# Allegro board HI3516APERB_VER_B_PCB.brd (continued)
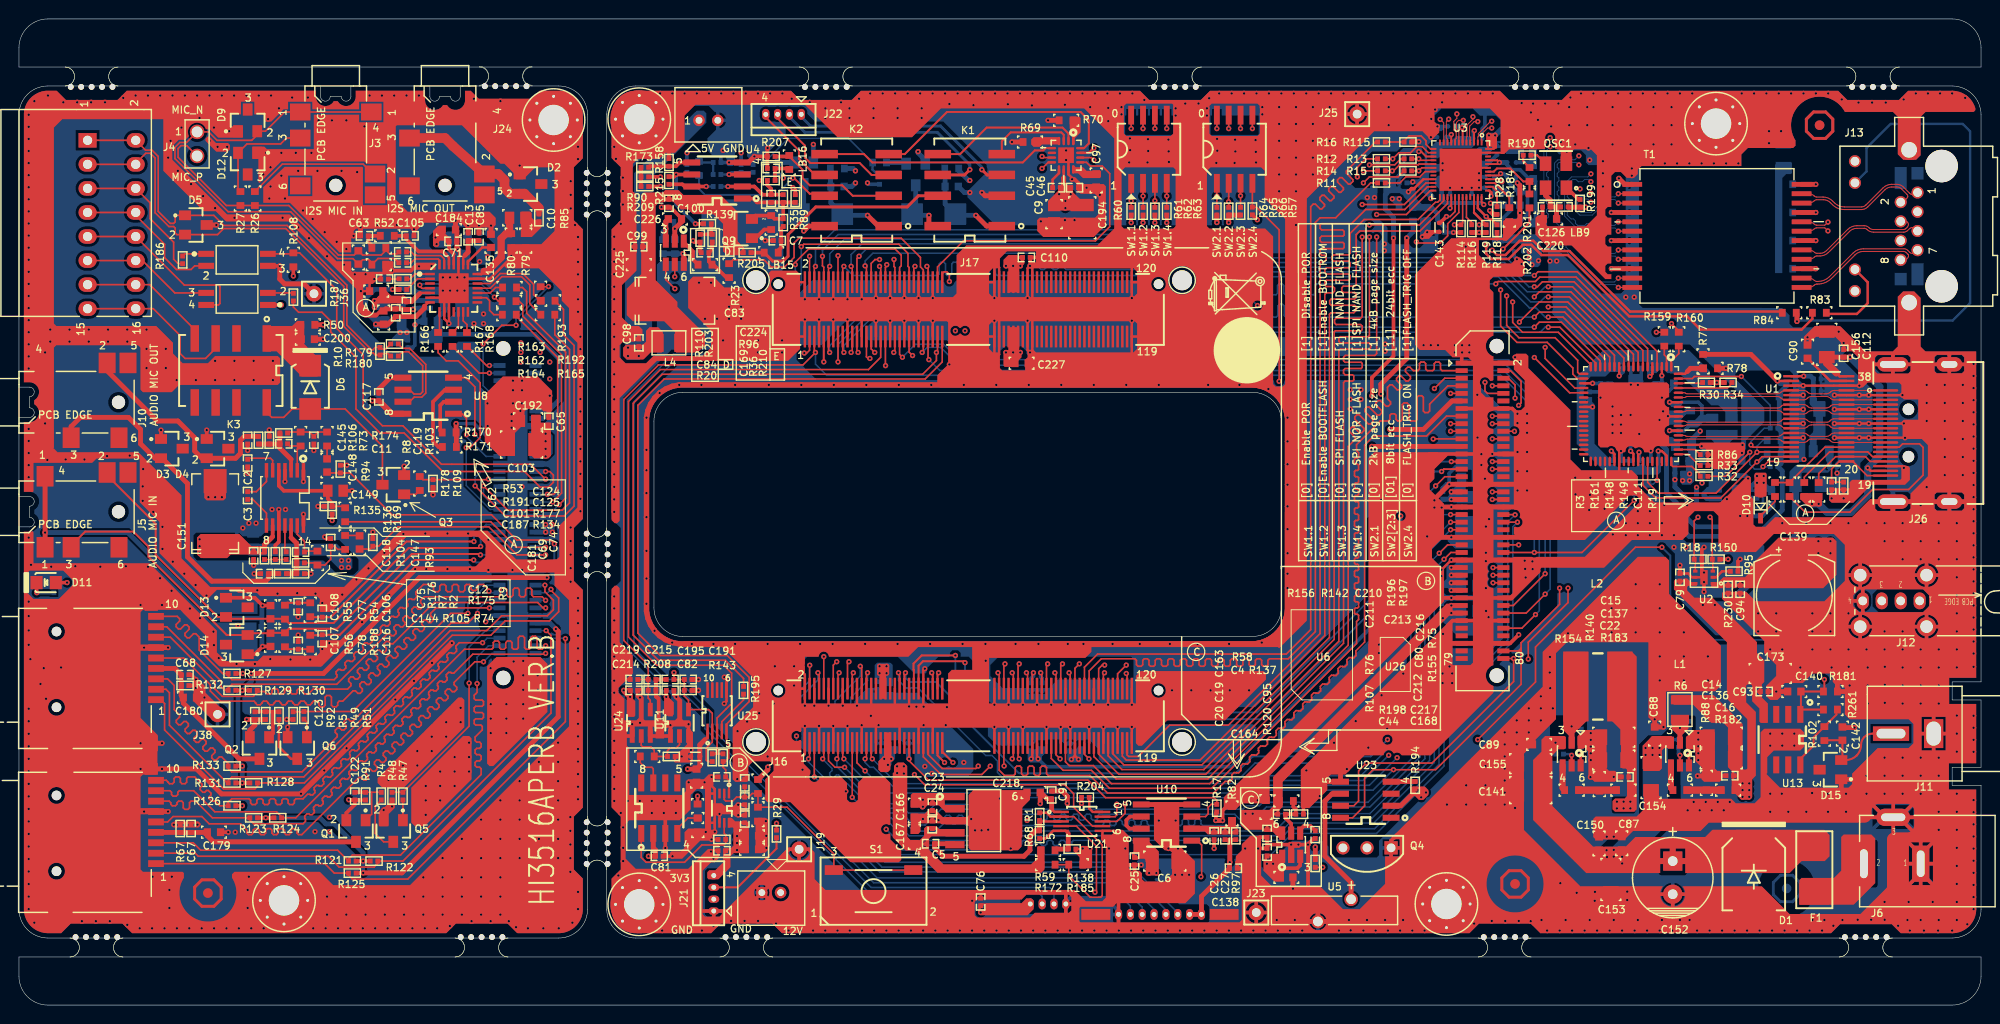
[diagram p0: board, top side]
## Copper pours and planes (outline as drawn; the poured copper is in the pictures) (continued)
VDD_AUDIO on TOP (solid shape): 24.51,48.48 26.04,48.48 26.16,48.35 26.16,47.72 26.04,47.59 22.35,47.59 21.97,47.21 19.18,47.21 18.8,47.59 18.8,47.85 25.78,47.85 25.78,48.23 25.53,48.23 25.53,47.85 18.8,47.85 18.8,47.97 25.15,47.97 25.15,48.23 24.89,48.23 24.89,47.97 24.64,47.97 24.64,48.23 24.38,48.23 24.38,47.97 18.8,47.97 18.8,49.37 19.18,49.75 23.24,49.75
VDD_AUDIO on BOTTOM (solid shape): 20.57,49.24 20.57,47.72 20.32,47.47 18.92,47.47 18.8,47.59 18.8,49.37 18.92,49.5 20.32,49.5
IO3V3_SII9022A on BOTTOM (solid shape): outline of 97 points within 167.51,59.02 173.58,65.91
IRIS_5V0 on TOP (solid shape): 70.1,85.57 74.04,85.57 75.82,83.79 75.82,80.61 76.45,79.98 76.45,79.85 75.95,79.85 75.95,79.2 74.7,79.2 74.3,79.61 74.3,82.52 73.28,83.53 71.12,83.53 70.61,84.04 69.85,84.04 69.09,84.8 68.96,84.8 68.96,85.57 68.33,85.57 68.2,85.44 68.2,84.8 67.56,84.8 67.18,84.42 67.18,76.56 69.47,74.27 69.47,73.75 70.73,72.48 70.74,72.48 72.39,70.83 72.39,69.69 71.63,68.93 69.34,68.93 69.22,69.06 69.22,71.09 68.07,72.23 64.78,72.23 64.14,72.87 64.14,75.66 65.66,77.18 65.66,79.72 66.29,79.72 66.29,80.49 65.66,80.49 65.66,85.57 65.91,85.82 67.94,85.82 68.2,86.07 69.6,86.07
Net_137 on BOTTOM (solid shape): 200.96,87.19 199.69,87.19 199.69,88.51 200.96,88.51
Net_138 on BOTTOM (solid shape): 199.19,86.18 197.92,86.18 197.92,88.51 199.19,88.51
Net_139 on BOTTOM (solid shape): 200.96,76.02 199.69,76.02 199.69,78.35 200.96,78.35
Net_140 on BOTTOM (solid shape): 199.19,76.02 197.92,76.02 197.92,77.34 199.19,77.34
Net_277 on TOP (solid shape): 128.69,9.01 125.64,9.01 125.64,10.15 128.69,10.15
Net_278 on TOP (solid shape): 115.15,9.01 112.1,9.01 112.1,10.15 115.15,10.15
$5N43 on TOP (solid shape): 168.91,22.32 164.21,22.32 164.21,23.08 168.91,23.08
$5N46 on TOP (solid shape): 165.53,37.05 165.53,30.07 165.48,30.07 164.13,28.72 164.13,27.2 164.08,27.15 163.58,27.15 163.53,27.2 163.53,28.47 162.94,29.05 162.94,36.98 163.27,37.31 165.28,37.31
$5N266 on TOP (solid shape): 176.15,30.32 176.15,29.18 175.51,28.54 175.51,27.27 175.39,27.15 175.13,27.15 175.01,27.27 175.01,28.54 174.37,29.18 174.37,30.32 174.62,30.57 175.9,30.57
$5N269 on TOP (solid shape): 179.96,22.32 175.64,22.32 175.64,23.08 179.96,23.08
$5N461 on TOP (solid shape): 195.86,17.6 195.86,12.87 193.6,10.61 187.86,10.61 187.86,13.2 188.09,13.43 191.52,13.43 192.28,14.19 192.28,17.75 192.53,18 195.45,18
$6N866 on TOP (solid shape): 128.4,19.83 128.4,18.81 128.65,18.56 128.65,18.05 128.63,18.03 125.43,18.03 125.12,18.33 122.91,18.33 122.89,18.36 128.35,18.36 128.35,18.64 128.02,18.64 128.02,18.36 127.15,18.36 127.15,18.38 127.61,18.38 127.61,18.64 127.36,18.64 127.36,18.38 127.15,18.38 127.15,18.66 126.9,18.66 126.9,18.36 122.89,18.36 122.89,18.38 126.49,18.38 126.49,18.64 126.21,18.64 126.21,18.38 126.03,18.38 126.03,18.64 125.76,18.64 125.76,18.38 122.89,18.38 122.89,18.92 122.91,18.94 126.04,18.94 126.06,18.93 126.12,18.93 126.15,18.92 126.22,18.91 126.29,18.9 126.36,18.91 126.43,18.92 126.46,18.93 126.83,18.93 126.86,18.92 126.93,18.91 127,18.9 127.07,18.91 127.14,18.92 127.17,18.93 127.23,18.93 127.24,18.94 127.43,18.94 127.58,19.09 127.58,19.46 127.58,19.52 127.58,19.83 127.61,19.86 128.37,19.86
$9N415 on TOP (solid shape): 155.03,92.17 155.39,92.04 155.75,92.16 155.76,92.17 155.83,92.17 155.96,92.04 155.96,90.52 155.87,90.43 155.45,90.43 155.45,90.65 155.42,90.67 154.91,90.67 154.81,90.77 154.81,91.97 155.02,92.17
$9N553 on BOTTOM (solid shape): 187.07,87.85 186.56,87.85 186.06,87.34 186.06,77.31 185.29,77.31 185.29,88.74 185.55,88.99 187.07,88.99
$12N341 on TOP (solid shape): 109.83,90.9 107.95,90.9 107.7,90.65 107.06,90.65 106.81,90.9 106.81,91.41 107.06,91.66 109.83,91.66
$12N342 on TOP (solid shape): 112.01,93.69 112.01,92.17 111.38,91.53 111.38,90.9 111.12,90.9 111.12,92.31 110.87,92.56 110.87,93.69 111,93.82 111.89,93.82
$12N345 on TOP (solid shape): 111.51,88.49 112.27,88.49 112.65,88.11 114.17,88.11 114.17,87.47 114.05,87.34 112.27,87.34 111.76,87.85 111.25,87.85 111.16,87.94 111.16,88.66 111.33,88.66
$21N337 on TOP (solid shape): 54.1,83.66 54.1,83.15 54.36,82.9 55.12,82.9 55.12,82.14 54.1,81.12 52.96,81.12 52.96,83.69 53.05,83.79 53.98,83.79
$23N1296 on TOP (solid shape): 30.1,71.98 30.1,69.82 31.75,68.17 31.75,66.64 31.5,66.39 29.84,66.39 27.18,69.06 26.04,69.06 25.78,69.31 25.78,71.47 26.04,71.72 28.83,71.72 29.34,72.23 29.84,72.23
3V3D_AK7756EN on BOTTOM (solid shape): 38.84,72.74 39.02,72.66 39.09,72.48 39.09,71.47 37.39,71.47 37.39,72.48 37.46,72.66 37.64,72.74

## Text on the board
BOTTOM: HI3516APERB VER.B ARTWORK BOTTOM
Ref Des/Silkscreen Bottom: 3V3 | GND | HI3516APERB VER.B SILKSCREEN BOTTOM
User.Comments: HI3516APERB VER.B SOLDMASK TOP | HI3516APERB VER.B SOLDMASK BOTTOM
TOP: HI3516APERB VER.B ARTWORK TOP
Ref Des/Silkscreen Top: MIC_N | MIC_P | I2S MIC IN | A | I2S MIC OUT | 3V3 | GND | 5V | D | B | E | 12V | 1 | 0 | C | AUDIO MIC IN | AUDIO MIC OUT | SW1.1 | SW1.2 | SW1.3 | SW1.4 | SW2.1 | SW2.2 | SW2.3 | SW2.4 | [1]   Disable POR | [0]   Enable POR | [1]Enable BOOTROM | [0]Enable BOOTFLASH | [1]   NAND FLASH | [0]   SPI FLASH | [1]SPI NAND FLASH | [0]   SPI NOR FLASH | [1] 4kB page size | [0]   2kB page size | [11]  24bit ecc | [01]  8bit ecc | SW2[2:3] | [1]FLASH_TRIG OFF | [0]   FLASH_TRIG ON | HI3516APERB VER.B SILKSCREEN TOP | HI3516APERB VER.B
GND02: HI3516APERB VER.B ARTWORK LAYER02
ART03: HI3516APERB VER.B ARTWORK LAYER03
ART04: HI3516APERB VER.B ARTWORK LAYER04
POWER5: HI3516APERB VER.B ARTWORK LAYER05
DIMENSION: Open Window | 1--ART01 | 2--GROUND PLANE02 | 3--ART03 | 4--ART04 | 5--POWER PLANE05 | 6--ART06
DISPLAY_BOTTOM: HI3516APERB VER.B PASTEMASK BOTTOM
DISPLAY_TOP: HI3516APERB VER.B PASTEMASK TOP
COMPVAL_TYPE_BOTTOM: FIGURE | SIZE | 10.0 | 12.0 | 20.0 | 28.0 | 36.0 | 38.0 | 40.0 | 45.0 | 52.0 | 65.0 | 126.0 | 24.0 | 48.0 | 55.0 | 60.0 | 83.0 | 135.0 | 67.0x28.0 | 100.0x32.0 | 100.0x60.0 | 107.0x28.0 | 110.0x32.0 | 120.0x32.0 | 120.0x40.0 | DRILL CHART: TOP to BOTTOM | ALL UNITS ARE IN MILS | PLATED | NON-PLATED | QTY | 2150 | 48 | 20 | 4 | 21 | 3 | 16 | 2 | 6 | 85 | 8 | 1
